# Allegro board reComputer Industrial J201_V1.2.brd (continued)
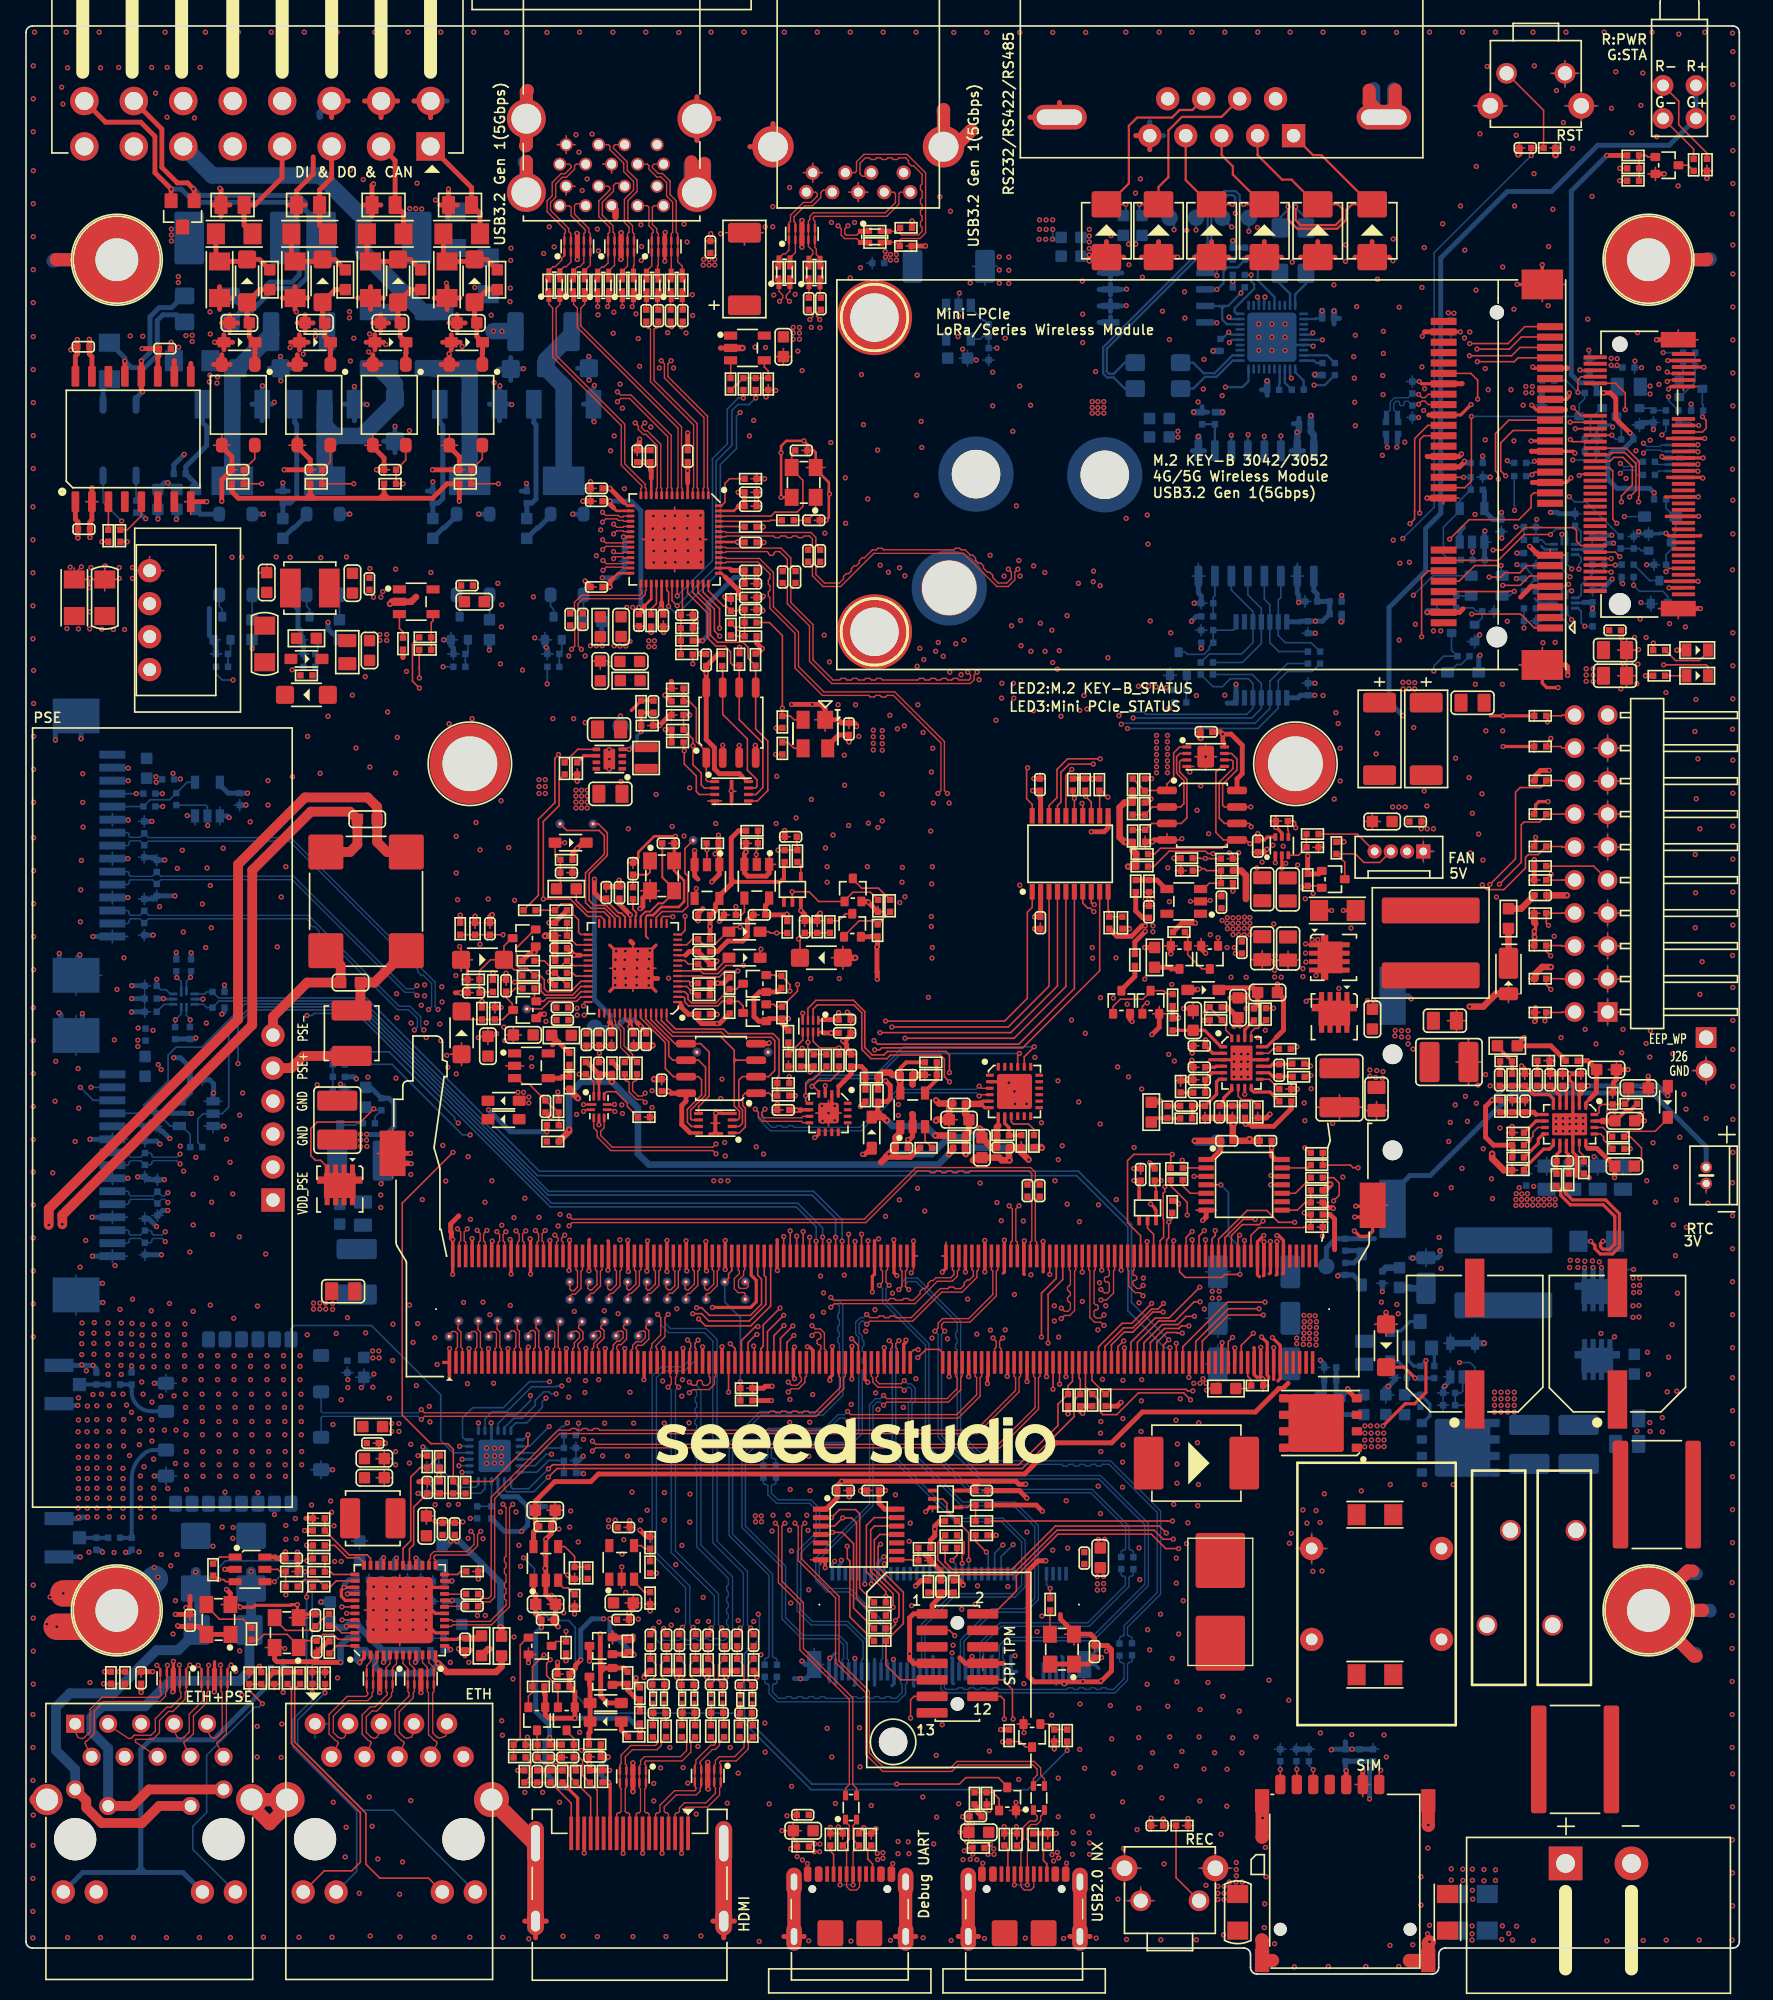
[diagram p0: board, top side]
## Routing (per net, layer and track width the routed paths; a pad name or vN(x,y) marks a point on that pad's centre or on a via; arc(x,y) is an arc through that point) (continued)
RS232_CTSN: length 19.4
  LAY4 w0.178: v1(84.94,133.19) 84.94,133.16 87.27,130.83 89.97,130.83 92.21,128.6 92.21,122.4 v1(92.41,122.19)
  BOTTOM w0.178: v1(84.94,133.19) 84.96,133.21 84.96,133.46 84.54,133.87 R279.1 ; v1(92.41,122.19) 93.73,122.19 94.19,122.65 U42.20
RS232_RTS: length 14.9
  TOP w0.178: J1.7 92.11,143 89.06,143 88.01,141.96 88.01,138.36 87.25,137.6 D5.2 v1(85.78,136.27)
  BOTTOM w0.178: v1(85.78,136.27) 85.78,135.6 R278.2
RS232_RTSN: length 19.4
  LAY4 w0.178: v1(85.5,133.19) 87.38,131.31 96.35,131.31 99.14,128.52 v1(99.14,126.37)
  BOTTOM w0.178: v1(85.5,133.19) 85.5,133.38 R278.1 ; U42.5 99,126.23 v1(99.14,126.37)
RS232_RXD/422_TX(A): length 2.8
  BOTTOM w0.178: U42.40 97.79,129.33 98.61,130.15 L26.1
RS232_RXD/422_TX+: length 17.5
  TOP w0.178: J1.2 94.89,140.05 96.77,138.17 97.49,138.17 99.39,136.27 D8.2 101.07,136.27 101.45,135.88 101.45,135.22 100.89,134.67 98.2,134.67 97.82,135.05 v1(97.82,136.09)
  BOTTOM w0.178: v1(97.82,136.09) 97.82,135.99 98.61,135.2 L26.4
RS232_TXD/422_RX(A): length 5.5
  BOTTOM w0.178: U42.21 92.97,124.23 91.72,122.98 90.83,122.98 89.92,122.07 L28.2
RS232_TXD/422_RX+: length 31.2
  TOP w0.178: v1(93.81,136.27) 95.28,136.27 92.98,138.57 92.98,139.19 92.12,140.05 J1.3
  TOP w0.381: 95.28,136.27 D7.2
  BOTTOM w0.178: v1(93.81,136.27) 93.5,136.57 93.5,136.98 93.2,137.28 92.31,137.28 91.04,136.01 91.04,133.31 82.99,125.26 82.99,123.24 83.29,122.93 83.8,122.93 84.66,122.07 L28.3
RUN: length 4.5
  TOP w0.127: FB3.2 42.39,82.65 43.26,81.78 44.53,81.78 44.96,81.36 U23.26
SDIO_D1: length 27.6
  TOP w0.127: R214.2 87.94,34.88 87.94,34.88 v1(88.33,34.88) ; v1(89.59,45.94) 89.63,45.98 J9.221
  LAY3 w0.127: v1(89.59,45.94) 87.56,43.91 87.56,35.66 v1(88.33,34.88)
SENSE+_DC1: length 2.5
  TOP w0.254: R198.2 118.84,61.64 C141.1 118.84,63.09 118.68,63.26 U31.13
SENSE+_DC2: length 2.6
  TOP w0.254: R158.2 97.51,70.05 C118.1 96.05,70.05 95.89,69.9 U25.13
SENSE-_DC1: length 2.5
  TOP w0.254: U31.12 118.18,63.35 117.92,63.09 C141.2 117.92,61.63 R199.2
SENSE-_DC2: length 2.7
  TOP w0.254: U25.12 95.78,69.4 96.05,69.13 C118.2 97.54,69.13 R166.2
SHUTDOWN_REQ*: length 101.5
  TOP w0.127: J9.233 92.63,48.69 v1(92.96,49.02) ; R120.2 v1(57.84,80.16) 57.35,80.16 57.24,80.26 D29.2
  LAY3 w0.127: v1(96.13,80.86) 95.53,80.26 95.53,73.6 96.27,72.87 96.27,66.87 96.78,66.36 96.78,54.84 92.96,51.02 v1(92.96,49.02)
  LAY4 w0.127: v1(92.96,49.02) 92.66,48.72 92.66,47.92 93.32,47.26 99.11,47.26 100.47,48.62 108.88,48.62 110.42,47.09 v1(110.44,47.09) ; v1(57.84,80.16) 58,80.32 65.17,80.32 65.68,79.81 82.78,79.81 83.45,79.14 85.22,79.14 86.26,78.1 93.55,78.1 95.85,80.4 95.85,80.58 v1(96.13,80.86)
  BOTTOM w0.127: U49.1 111.64,46.7 111.26,47.09 v1(110.44,47.09)
SIM_CLK: length 102.1
  TOP w0.127: J15.C1 v1(96.64,15.75)
  LAY3 w0.127: v1(96.64,15.75) 96.64,18.93 93.65,21.92 93.65,39.57 102.59,48.51 102.59,54.35 107.47,59.23 107.47,66.87 115.01,74.41 115.01,80.84 115.8,81.63 115.8,86.08 115.01,86.86 115.01,101.31 115.41,101.71 v1(115.41,103.64)
  BOTTOM w0.127: v1(96.64,15.75) 96.63,15.76 D93.2 ; v1(115.41,103.64) C227.1 R336.2
SIM_DETECT: length 118.8
  TOP w0.127: v1(104.37,15.69) 104.26,15.58 J15.C7
  LAY3 w0.127: v1(123.85,106.93) 123.85,106.96 123.37,107.44 122.86,107.44 122.43,107.01 121.82,107.01 121.14,106.32 121.14,104.03 116.69,99.59 116.69,88.62 118.27,87.04 118.27,81.08 117.02,79.84 117.02,75.08 117.56,74.54 117.56,73.1 117.02,72.56 115.09,72.56 109.07,66.54 109.07,57.93 103.76,52.62 103.76,48.02 94.82,39.08 94.82,22.4 101.02,16.2 103.86,16.2 v1(104.37,15.69)
  BOTTOM w0.127: R331.2 v1(123.85,106.93) 124.31,106.47 126.11,106.47 126.48,106.11 Q38.1
SIM_DETECT_1V8: length 2.1
  TOP w0.127: J6.66 v1(122.45,108.49)
  BOTTOM w0.127: v1(122.45,108.49) 122.49,108.53 R329.2
SIM_DIO: length 110
  TOP w0.127: J15.C2 v1(97.91,15.76)
  LAY3 w0.127: v1(97.91,15.76) 97.91,18.27 94.08,22.1 94.08,39.39 103.02,48.33 103.02,54.17 107.9,59.05 107.9,66.69 115.44,74.24 115.44,80.66 116.69,81.91 116.69,86.05 115.44,87.3 115.44,101.13 115.93,101.62 115.93,107.46 115.14,108.25 115.14,108.25 v1(114.86,108.53)
  BOTTOM w0.127: D92.2 97.87,15.79 v1(97.91,15.76) ; R333.2 115.71,106.77 115.71,106.83 R332.2 115.71,108.08 115.71,108.13 C223.1 114.97,108.43 v1(114.86,108.53)
SIM_MUX_SEL: length 136.7
  TOP w0.127: v1(117.02,73.4) 117.12,73.5 D37.2 118.32,74.04 118.36,74.08 J8.2
  LAY3 w0.127: v1(119.64,108.17) 119.64,104.24 v1(120.1,103.78) 116.29,99.97 116.29,88.34 117.89,86.74 117.89,81.99 116.74,80.84 116.74,73.68 v1(117.02,73.4) 116.53,72.91 115.05,72.91 108.64,66.49 v1(108.64,60.04)
  LAY4 w0.127: v1(42.57,42.41) 49.38,49.22 54.63,49.22 60.14,54.73 71.56,54.73 72.8,55.98 82.58,55.98 85.45,58.85 95.25,58.85 96.37,59.96 108.17,59.96 108.25,60.04 v1(108.64,60.04)
  BOTTOM w0.127: v1(42.57,42.41) 42.57,41.7 R389.2 ; R339.1 120.1,103.77 v1(120.1,103.78) 119.82,104.06 119.82,104.92 119.57,105.17 U46.10 ; U45.10 119.57,109.29 119.81,109.05 119.81,108.74 119.64,108.57 v1(119.64,108.17)
SIM_RST: length 112.4
  TOP w0.127: J15.C3 v1(99.18,15.73)
  LAY3 w0.127: v1(114.79,111.43) 115.5,111.43 116.31,110.61 116.31,101.46 115.79,100.94 115.79,87.47 117.12,86.14 117.12,81.76 115.79,80.42 115.79,74.09 108.25,66.55 108.25,58.9 103.37,54.03 103.37,48.19 94.43,39.24 94.43,22.24 99.18,17.49 v1(99.18,15.73)
  BOTTOM w0.127: v1(114.79,111.43) C219.1 R324.2 ; D91.2 98.84,16.07 v1(99.18,15.73)
SLEW: length 15.4
  LAY3 w0.178: v1(94.21,134.19) 94.09,134.07 94.09,131.13 v1(94.39,130.83) 94.39,129.36 93.53,128.49 92.54,128.49 91.75,127.7 v1(91.75,127.15)
  BOTTOM w0.178: SW3.4 91.72,127.17 v1(91.75,127.15) ; U42.30 93.29,127.84 93.12,128 93.12,128.26 94.62,129.76 94.62,130.12 94.39,130.35 v1(94.39,130.83) R394.2 ; TP53.1 v1(94.21,134.19)
SPI0_CS0: length 71.8
  TOP w0.127: v1(56.06,48.36) 56.13,48.29 J9.95 ; v1(63.28,32.94) 63.28,32 63.48,31.8 63.48,27.5 R403.1 ; v1(89.46,58.44) 89.46,59.42 88.19,60.7 R436.1
  LAY4 w0.127: v1(89.46,58.44) 85.58,58.44 82.88,55.75 72.95,55.75 71.71,54.5 60.28,54.5 55.5,49.73 55.5,48.92 v1(56.06,48.36) 56.34,48.08 56.34,48.05 56.47,47.92 56.47,42.64 58.04,41.07 60.28,41.07 61.6,39.75 61.6,34.84 61.88,34.56 62.39,34.56 63.28,33.68 v1(63.28,32.94)
SPI0_CS0_LS: length 72.2
  TOP w0.127: R439.2 100.76,61.32 101.17,60.9 101.17,59.96 v1(100.74,59.53) ; J11.9 67.39,22.65 66.25,23.79 R403.2 67.59,26.99 67.59,29.4 65.65,31.34 65.65,32.9 v1(65.84,33.09)
  LAY4 w0.127: v1(65.84,33.09) 66.15,32.79 71.56,32.79 74.27,35.5 74.27,43.23 76.05,45 76.05,51.61 79.89,55.44 83.09,55.44 85.14,57.5 89.31,57.5 90.35,58.54 95.43,58.54 96.14,59.25 100.46,59.25 v1(100.74,59.53)
SPI0_IRQ_GPIO07: length 23.5
  TOP w0.127: v1(98.53,63.62) 98.92,63.23 R200.1 ; R431.1 88.2,62.99 v1(88.32,63.11) 85.35,63.11 84.87,62.63 84.87,57.86 85.88,56.85 J9.206
  LAY4 w0.127: v1(88.32,63.11) 98.02,63.11 v1(98.53,63.62)
SPI0_IRQ_LS: length 61.2
  TOP w0.127: v1(102.63,62.09) 102.24,62.09 102.04,62.29 R202.2 R200.2 ; v1(88.8,32.76) 87.81,32.76 86.71,33.87 79.49,33.87 76.31,30.68 76.31,29.5 74.54,27.73 J11.2
  LAY3 w0.127: v1(102.63,62.09) 102.63,59.98 101.91,59.25 101.91,55.22 97.29,50.6 97.29,47.63 96.44,46.78 94.95,46.78 91.93,43.76 88.57,43.76 87.89,43.07 87.89,35.94 88.8,35.02 v1(88.8,32.76)
SPI0_MISO: length 31.4
  TOP w0.127: R401.1 63.99,28.94 63.99,34.74 63.61,35.12 v1(62.92,35.12) 62.29,34.49 U57.3 ; v1(56.32,49.25) 56.25,49.25 55.63,48.62 J9.93
  LAY4 w0.127: v1(62.92,35.12) 62.39,35.66 62.39,39.7 60.53,41.55 58.42,41.55 57,42.96 57,48.56 v1(56.32,49.25)
SPI0_MISO_LS: length 22.3
  TOP w0.127: v1(68.15,19.71) 68.15,21.12 68.42,21.38 J11.11 ; U57.12 65.36,34.49 65.08,34.21 65.08,31.01 66.81,29.28 v1(66.81,28.24) 66.25,27.69 R401.2
  LAY4 w0.127: v1(66.81,28.24) 66.4,27.83 66.4,25.52 68.15,23.77 v1(68.15,19.71)
SPI0_MOSI: length 31.1
  TOP w0.127: J9.89 54.63,48.17 v1(54.26,48.53) ; R402.1 63.76,28.18 63.76,33.14 62.89,34.01 v1(62.13,34.01) 61.97,33.84 U57.4
  LAY4 w0.127: v1(62.13,34.01) 61.93,34.01 61.27,34.67 61.27,39.76 60.19,40.84 57.76,40.84 56.24,42.36 56.24,46.55 v1(54.26,48.53)
SPI0_MOSI_LS: length 25
  TOP w0.127: v1(75.37,19.63) 75.37,21.12 75.1,21.38 J11.12 ; U57.11 65.78,33.84 65.36,33.42 65.36,31.16 67.26,29.26 67.26,27.5 v1(66.98,27.22) 66.98,26.9 66.69,26.61 R402.2
  LAY4 w0.127: v1(66.98,27.22) 67.26,26.95 67.66,26.95 74.97,19.63 v1(75.37,19.63)
SPI0_RST_3V3: length 71.6
  TOP w0.127: v1(80.22,17.22) 80.22,17.89 R434.1
  LAY4 w0.127: v1(38.33,32.05) 34.99,32.05 33.23,33.82 33.23,35.4 34.14,36.32 34.14,41.71 v1(34.86,42.43)
  BOTTOM w0.127: v1(38.33,32.05) 39.17,31.21 39.17,28.49 40.44,27.22 41.79,27.22 42.32,26.69 42.32,21.51 43.74,20.09 54.59,20.09 60.48,14.19 77.19,14.19 v1(80.22,17.22) ; U51.7 v1(34.86,42.43)
SPI0_RST_LS: length 16.3
  TOP w0.127: v1(71.56,26.06) 71.15,26.46 J11.3 ; v1(75.24,17.88) 75.72,17.88 R438.2 76.58,17.9 77.01,17.47 Q32.3
  LAY4 w0.127: v1(71.56,26.06) 70.82,25.32 70.82,24.68 74.86,20.65 75.77,20.65 76.48,19.93 76.48,19.12 v1(75.24,17.88)
SPI0_SCK: length 33.1
  TOP w0.127: J9.91 55.13,48.78 56.21,49.86 56.39,49.86 v1(56.39,49.86) ; U57.2 v1(62.06,35.14) 62.67,35.76 63.91,35.76 64.23,35.43 64.23,29.71 R400.1
  LAY4 w0.127: v1(62.06,35.14) 62.06,39.62 60.38,41.3 58.25,41.3 56.72,42.82 56.72,48.25 55.76,49.22 55.76,49.61 56,49.86 v1(56.39,49.86)
SPI0_SCK_LS: length 28.1
  TOP w0.127: J11.10 75.26,22.65 76,21.92 76,19.68 v1(76.05,19.63) ; R400.2 v1(66.25,29.08) 66.25,29.46 64.75,30.96 64.75,34.54 65.35,35.14 U57.13
  LAY4 w0.127: v1(76.05,19.63) 75.47,20.21 74.86,20.21 67.47,27.6 67.47,28.27 66.65,29.08 v1(66.25,29.08)
SPI1_CS0: length 41.4
  TOP w0.127: J9.110 v1(59.88,57.17) ; U18.5 80.12,76.05 76.13,72.05 v1(67.72,72.05)
  LAY3 w0.127: v1(67.72,72.05) 67.72,66.01 65.69,63.98 65.69,62.99 v1(59.88,57.17)
SPI1_CS0_3V3: length 67
  TOP w0.127: v1(111.23,125.55) 114.18,125.55 115.48,126.85 J5.51 ; U18.16 80.12,92.3 v1(80.57,92.76)
  LAY3 w0.127: v1(80.57,92.76) 80.57,93.15 80.47,93.25 80.47,98.78 81.79,100.1 81.79,107.56 v1(82.25,108.02)
  LAY4 w0.127: v1(111.23,125.55) 110.84,125.55 110.16,124.87 110.16,121.97 107.34,119.15 107.34,117.7 101.62,111.97 101.62,109.18 100.74,108.3 82.53,108.3 v1(82.25,108.02)
SPI1_MISO: length 41.3
  TOP w0.127: v1(66.7,72.92) 75.67,72.92 78.82,76.07 U18.3 ; J9.108 v1(59.38,56.81)
  LAY3 w0.127: v1(59.38,56.81) 59.38,57.23 65.13,62.99 65.13,63.85 66.7,65.43 v1(66.7,72.92)
SPI1_MISO_3V3: length 67
  TOP w0.127: U18.18 78.82,89.97 79.43,90.58 79.43,92.76 80.24,93.57 v1(82.76,93.57) ; v1(111.21,124.61) 114.46,124.61 115.1,125.25 J5.47
  LAY3 w0.127: v1(82.76,93.57) v1(82.76,106.9)
  LAY4 w0.127: v1(111.21,124.61) 111.21,122.25 108.03,119.07 108.03,117.32 102.33,111.62 102.33,109.08 100.92,107.67 83.52,107.67 v1(82.76,106.9)
SPI1_MOSI: length 42.7
  TOP w0.127: J9.104 v1(58.38,56.79) ; v1(65.79,72.49) 75.87,72.49 79.47,76.08 U18.4
  LAY3 w0.127: v1(58.38,56.79) 58.38,57.96 65.56,65.15 65.56,69.18 65.79,69.41 v1(65.79,72.49)
SPI1_MOSI_3V3: length 67.3
  TOP w0.127: v1(82.22,93.16) 80.37,93.16 79.73,92.53 79.73,90.24 79.47,89.97 U18.17 ; J5.49 115.21,126.05 114.28,125.12 v1(111.79,125.12)
  LAY3 w0.127: v1(82.22,93.16) v1(82.22,107.21)
  LAY4 w0.127: v1(82.22,107.21) 82.96,107.94 100.77,107.94 101.97,109.15 101.97,111.82 107.7,117.55 107.7,119.15 110.57,122.02 110.57,124.73 110.95,125.12 v1(111.79,125.12)
SPI1_SCK: length 41.1
  TOP w0.127: v1(58.88,57.22) J9.106 ; U18.1 77.52,82.13 77.14,81.76 77.14,75.13 75.39,73.38 v1(66.22,73.38)
  LAY3 w0.127: v1(58.88,57.22) 58.88,58.05 65.84,65.02 65.84,69.01 66.22,69.39 v1(66.22,73.38)
SPI1_SCK_3V3: length 67.2
  TOP w0.127: U18.20 77.52,90.07 77.09,90.5 77.09,92.81 v1(77.17,92.88) ; v1(111.81,124.15) 114.66,124.15 114.96,124.45 J5.45
  LAY3 w0.127: v1(77.17,92.88) 77.17,93.28 77.04,93.4 77.04,97.3 77.32,97.58 77.32,100.6 76.66,101.26 v1(76.66,102.28)
  LAY4 w0.127: v1(76.66,102.28) 77.09,102.71 79.28,102.71 83.98,107.41 101.12,107.41 102.65,108.94 102.65,111.42 108.41,117.19 108.41,119.07 111.81,122.47 v1(111.81,124.15)
SS_DC1: length 1.7
  TOP w0.254: C127.1 118.68,68.11 U31.4
SS_DC2: length 1.4
  TOP w0.254: C116.1 91.61,69.82 91.69,69.9 U25.4
SUSCLK_32KHZ: length 2.9
  TOP w0.127: J9.210 86.88,56.96 86.41,57.43 U33.2
SW_DC1: length 22.6
  TOP w0.254: U31.16 120.18,63.72 120.32,63.57
  TOP w0.381: 120.32,63.57 121.03,63.57 C142.2 v1(122.39,61.33)
  LAY3 w0.381: v1(122.39,61.33) 125.54,58.18 125.54,51.03 124.21,49.7 121.72,49.7 v1(121.34,49.32)
  BOTTOM w0.508: R368.1 106.64,52.86 106.7,52.8 D88.2
SW_DC2: length 13.6
  TOP w0.254: 96.33,72.13 95.6,71.4 U25.16
  TOP w0.381: v1(96.42,76.22) C95.2 96.88,75.11 96.88,72.68 96.33,72.13
  TOP w0.508: D34.2 114.21,79.68 114.21,79.68 R114.1
  LAY4 w0.381: v1(101.15,75.89) 97.27,75.89 96.94,76.22 v1(96.42,76.22)
SWCLK: length 10.5
  TOP w0.127: U23.24 45.76,81.32 45.62,81.45 45.52,81.45 44.68,82.29 43.77,82.29 43.39,82.67 43.39,84.73 44.78,86.13 44.78,87.88 44.1,88.56 TP2.1
SWDIO: length 12.7
  TOP w0.127: TP1.1 41.65,88.06 44.15,88.06 44.56,87.65 44.56,86.23 43.11,84.78 43.11,82.49 43.54,82.06 44.59,82.06 45.36,81.29 U23.25
SYNCO_DC1: length 3.3
  TOP w0.254: R197.1 115.42,62.02 116.92,63.52 117.38,63.52 117.68,63.82 U31.11
SYNCO_DC2: length 1.8
  TOP w0.127: U25.11 95.8,68.9 R171.1
SYS_RESET: length 3.2
  TOP w0.127: J9.239 94.13,46.03 94.4,45.75 D45.2 94.17,45.08 FB5.1
SYS_RST*: length 166
  TOP w0.127: R92.1 52.43,86.6 v1(52.45,86.57) 52.45,86.18 52.47,86.17 U20.2 ; v1(90.96,44.95) 91.09,45.08 FB5.2 ; SW1.1 116.92,143.51 D1.2 C1.1 v1(115.97,140.02)
  LAY3 w0.127: v1(106.07,110.54) 102.14,106.6 102.14,90.42 100.66,88.95 95.86,88.95 95.38,88.46 95.38,87.24 94.92,86.79 94.92,85.92 v1(95.23,85.62) 97.16,83.69 97.16,72.84 96.65,72.33 96.65,67.03 97.16,66.52 97.16,54.68 93.98,51.51 93.98,47.29 91.64,44.95 v1(90.96,44.95)
  LAY4 w0.127: v1(52.45,86.57) 52.82,86.94 58.22,86.94 58.93,86.23 86.24,86.23 87.76,84.7 93.58,84.7 94.49,85.62 v1(95.23,85.62)
  BOTTOM w0.127: v1(106.07,110.54) 108.49,112.95 108.49,132.54 v1(115.97,140.02)
TG1: length 2
  TOP w0.127: R193.1 121.54,64.23 121.54,64.46 121.32,64.68 U31.17
TG2: length 2
  TOP w0.127: U25.17 94.4,72.54 94.67,72.82 94.9,72.82 R146.1
TG_DC1: length 19.7
  TOP w0.127: R193.2 v1(123.6,63.54)
  LAY3 w0.127: v1(123.6,63.54) 126.3,60.84 126.3,50.95 124.41,49.07 v1(122.38,49.07)
  BOTTOM w0.127: Q45.4 122.03,48.72 v1(122.38,49.07)
TG_DC2: length 4.6
  TOP w0.127: v1(98.63,74.9) 98.8,75.07 Q16.4 ; v1(96.12,74.37) 95.99,74.37 95.98,74.37 R146.2
  LAY4 w0.127: v1(96.12,74.37) 96.65,74.9 v1(98.63,74.9)
TXRXA_N: length 10.4
  TOP w0.102: J14.3 24.91,18.99 24.51,18.21 24.28,18.13 24.03,18.26 23.68,18.61 23.68,19.85 24.87,21.05 26.33,21.05 26.66,21.39 26.66,21.66 26.75,21.75 U32.7 U32.4 26.75,23.73 27.05,24.03 U38.3
TXRXA_P: length 10.5
  TOP w0.102: U38.2 26.55,24.04 26.25,23.74 U32.5 U32.6 26.25,21.75 26.34,21.66 26.34,21.52 26.19,21.38 24.74,21.38 23.35,19.99 23.35,18.47 23.84,17.99 24.01,17.9 24.06,17.76 J14.2
TXRXB_N: length 9.3
  TOP w0.102: J14.5 27.44,19 27.05,18.22 26.8,18.14 26.57,18.26 26.22,18.61 26.22,19.81 26.66,20.25 27.02,20.25 28.16,21.39 28.16,21.66 28.25,21.75 U32.10 U32.1 28.25,23.59 28.55,23.89 U38.6
TXRXB_P: length 9.5
  TOP w0.102: U38.5 28.05,23.9 27.75,23.6 U32.2 U32.9 27.75,21.75 27.84,21.66 27.84,21.52 26.89,20.57 26.52,20.57 25.89,19.94 25.89,18.47 26.38,17.99 26.55,17.9 26.6,17.76 J14.4
TXRXC_N: length 8.9
  TOP w0.102: J14.7 30.02,18.88 29.71,18.26 29.34,18.14 29.11,18.26 28.76,18.61 28.76,20.19 29.84,21.27 29.84,21.66 29.92,21.75 U59.7 U59.4 29.92,23.52 29.55,23.89 U38.8
TXRXC_P: length 8.9
  TOP w0.102: J14.6 29.14,17.76 29.09,17.9 28.92,17.99 28.43,18.47 28.43,20.32 29.51,21.4 29.51,21.66 29.42,21.75 U59.6 U59.5 29.42,23.53 29.05,23.91 U38.7
TXRXD_N: length 8.4
  TOP w0.102: U38.11 31.05,23.97 31.42,23.59 U59.1 U59.10 31.42,21.75 31.34,21.66 31.34,18.57 31.65,18.26 31.85,18.15 32.31,18.31 32.58,18.84 J14.9
TXRXD_P: length 8.5
  TOP w0.102: U38.10 30.55,23.99 30.92,23.61 U59.2 U59.9 30.92,21.75 31.01,21.66 31.01,18.43 31.46,17.99 31.63,17.9 31.68,17.76 J14.8
TYPE C_UART_5V: length 25.2
  TOP w0.254: U30.9 61.08,64.66 60.83,64.41 v1(60.76,64.41) ; U30.3 v1(61.58,68.4) ; 74.91,65.32 U54.7
  TOP w0.381: 67.19,62.89 68.15,62.89 R416.1 ; 67.19,62.89 66.96,63.12 66.96,63.62 ; 67.19,62.89 66.27,62.89
  TOP w0.508: 74.91,65.32 74.81,65.22 R423.1 74.81,64.58 C302.1 74.39,63.64 C137.1 73.65,64.93 v1(73.48,65.1) ; U52.1 67.36,64.79 67,64.42 C291.1 66.96,63.62 v1(66.47,63.14) 66.27,62.93 66.27,62.89 65.88,62.5
  LAY3 w0.508: v1(61.58,68.4) 60.71,67.53 60.71,65.04 60.76,64.99 v1(60.76,64.41)
  BOTTOM w0.508: v1(66.47,63.14) 69.8,63.14 71.1,64.43 72.82,64.43 v1(73.48,65.1)
  vias: v1(52.99,61.08) v1(53.52,61.08) v1(54.08,61.08) v1(56.19,35.28) v1(56.21,34.83) v1(56.65,35.28) v1(56.66,34.83) v1(60.76,10.03) v1(60.74,9.42) v1(61.17,10) v1(61.14,9.42) v1(65.59,9.29) v1(65.61,8.81) v1(66.02,9.34) v1(66.02,8.91)
TYPE C_USB_DN: length 66.8
  TOP w0.107: v1(58.47,34.72) 58.24,34.48 58.24,30.26 59.89,28.6 59.89,25.07 63.7,21.26 63.7,14.59 63.99,14.3 L25.3 ; v1(53.17,63.92) 52.92,63.67 45.17,63.67 44.28,64.56 44.28,64.89 44.54,65.16 U29.5
  LAY3 w0.084: v1(53.17,63.92) 53.43,63.66 55.34,63.66 56.11,62.89 56.11,55.85 57.51,54.45 57.51,49.78 58.22,49.07 58.22,34.96 v1(58.47,34.72)
TYPE C_USB_DP: length 66.9
  TOP w0.107: v1(57.74,34.72) 57.97,34.49 57.97,30.14 59.62,28.49 59.62,24.96 63.43,21.15 63.43,14.59 63.14,14.3 L25.2 ; U29.3 43.74,65.16 44.01,64.89 44.01,64.45 45.05,63.4 52.92,63.4 v1(53.17,63.16)
  LAY3 w0.084: v1(53.17,63.16) 53.43,63.42 55.24,63.42 55.88,62.79 55.88,55.75 57.27,54.35 57.27,49.68 57.98,48.97 57.98,34.96 v1(57.74,34.72)
UART0_CTS: length 54.4
  TOP w0.127: J9.105 58.63,48.63 v1(59.16,49.17) ; v1(65.38,71.17) 65.78,71.17 65.93,71.32 76.79,71.32 82.72,77.25 U18.9
  LAY3 w0.127: v1(65.38,71.17) 65.38,69.54 65.26,69.41 65.26,65.22 57.79,57.75 57.79,56.69 59.67,54.81 59.67,49.68 v1(59.16,49.17)
UART0_CTS_3V3: length 52.7
  TOP w0.127: v1(83.35,90.62) 82.85,91.12 R81.2 82.69,90.68 82.72,90.65 U18.12
  LAY3 w0.127: v1(83.35,101.36) v1(83.35,90.62)
  LAY4 w0.127: v1(114.13,116.53) 114.39,116.26 114.39,114.59 113.92,114.12 112.73,114.12 102.29,103.68 85.67,103.68 v1(83.35,101.36)
  BOTTOM w0.127: v1(114.13,116.53) 114.15,116.53 114.33,116.35 R308.1
UART0_RTS: length 54.1
  TOP w0.127: v1(65.33,71.88) 65.61,71.6 76.48,71.6 80.77,75.88 U18.6 ; J9.103 58.13,48.95 v1(59.08,49.91)
  LAY3 w0.127: v1(59.08,49.91) 59.36,50.18 59.36,54.71 57.51,56.56 57.51,57.85 64.98,65.32 64.98,71.52 v1(65.33,71.88)
UART0_RTS_3V3: length 53.4
  TOP w0.127: U18.15 v1(80.77,90.53) 80.65,90.65 R79.2
  LAY3 w0.127: v1(81.51,98.45) 80.77,97.7 80.77,96.83 81,96.59 81,91.15 80.77,90.92 v1(80.77,90.53)
  LAY4 w0.127: v1(81.51,98.45) 82.06,98.45 85.23,101.62 101.27,101.62 107.42,107.77 111.92,107.77 114.33,110.18 114.33,111.5 114.68,111.86 v1(114.68,112.69)
  BOTTOM w0.127: R310.1 114.65,113.12 114.68,113.09 v1(114.68,112.69)
UART0_RXD: length 117.7
  TOP w0.127: v1(58.4,49.93) 57.63,49.16 J9.101 ; v1(82.3,82.34) 82.2,82.34 82.07,82.47 U18.8 ; J6.64 v1(122.13,108.99)
  LAY3 w0.127: v1(82.3,82.34) 82.3,85.47 86.19,89.35 86.19,97.23 86.49,97.53 v1(86.49,99.16) ; v1(67.72,82.95) 67.72,75.51 64.75,72.54 64.75,69.84 64.72,69.82 64.72,65.39 57.28,57.95 57.28,56.31 59.03,54.55 59.03,50.57 v1(58.4,49.93)
  LAY4 w0.127: v1(86.49,99.16) 87.18,99.84 102.34,99.84 108.46,105.96 111.69,105.96 112.17,105.48 119.13,105.48 121.09,107.44 121.09,107.95 v1(122.13,108.99) ; v1(67.72,82.95) 81.69,82.95 v1(82.3,82.34)
UART0_RXD_3V3: length 49.2
  TOP w0.127: J5.13 115.65,108.45 115.09,107.89 113.94,107.89 113.61,107.56 v1(112.73,107.56) ; R80.2 81.6,90.71 v1(81.63,90.68) 82.07,90.24 U18.13
  LAY3 w0.127: v1(81.74,97.4) 81.74,97.01 81.63,96.9 v1(81.63,90.68)
  LAY4 w0.127: v1(81.74,97.4) 82.13,97.4 85.44,100.71 102.06,100.71 108.17,106.81 111.98,106.81 v1(112.73,107.56)
UART0_TXD: length 121.9
  TOP w0.127: J9.99 57.13,49.47 v1(58.37,50.72) ; v1(82.27,81.81) 82,82.09 81.79,82.09 81.42,82.46 U18.7 ; J6.62 122.44,109.49 v1(122.79,109.14)
  LAY3 w0.127: v1(82.27,81.81) 81.87,82.21 81.87,85.43 85.7,89.27 v1(85.7,99.16) ; v1(58.37,50.72) 58.65,51 58.65,54.55 57,56.21 57,57.96 57.05,58.01 57.05,58.04 63.91,64.9 63.91,69.46 64.52,70.07 64.52,72.67 67.47,75.61 67.47,81.97 67.32,82.11 v1(67.32,82.5)
  LAY4 w0.127: v1(85.7,99.16) 86.69,100.15 102.29,100.15 108.36,106.22 111.89,106.22 112.37,105.74 119,105.74 120.83,107.56 120.83,108.35 121.97,109.49 122.43,109.49 v1(122.79,109.14) ; v1(67.32,82.5) 81.58,82.5 v1(82.27,81.81)
UART0_TXD_3V3: length 49
  TOP w0.127: J5.11 115.84,107.65 115.12,106.93 v1(113.77,106.93) ; v1(81.36,90.14) 81.42,90.08 U18.14
  LAY3 w0.127: v1(81.36,90.14) 81.23,90.27 81.23,96.86 81.18,96.91 v1(81.18,97.3)
  LAY4 w0.127: v1(113.77,106.93) 113.41,106.57 108.33,106.57 102.24,100.48 85.55,100.48 82.05,96.97 81.51,96.97 v1(81.18,97.3)
UART1_CTS: length 77.1
  TOP w0.127: v1(89.59,49.91) 89.02,49.91 88.81,49.7 87.71,49.7 86.63,48.62 J9.209
  LAY3 w0.127: v1(84.2,96.9) 83.93,96.62 83.93,89 80.93,86 80.93,74.79 92.82,62.9 92.82,59.58 92.21,58.97 92.21,57.22 89.59,54.6 v1(89.59,49.91)
  BOTTOM w0.127: R353.1 91.44,99.13 92.18,99.13 92.79,99.74 94.16,99.74 94.53,99.37 U47.5 94.53,97.47 94.05,97 86.29,97 86.11,97.17 84.48,97.17 v1(84.2,96.9)
UART1_CTS_5V_ISO: length 9.3
  LAY4 w0.178: v1(92.71,125.62) 92.87,125.47 v1(92.87,118.49)
  BOTTOM w0.178: U44.11 v1(92.87,118.49) ; U42.25 92.93,125.84 v1(92.71,125.62)
UART1_CTS_LS: length 10.5
  BOTTOM w0.127: U44.6 92.87,106.57 94.53,104.91 U47.10 94.53,102.52 93.65,101.65 91.16,101.65 R353.2
UART1_EN_3V3: length 2.1
  BOTTOM w0.127: R446.2 R445.2 89.39,99.31 89.44,99.36 Q52.1
UART1_RTS: length 76.9
  TOP w0.127: J9.207 86.13,48.6 87.53,50.01 88.75,50.01 89.39,50.64 v1(90.02,50.64)
  LAY3 w0.127: v1(84.38,96.24) 84.38,89.09 81.18,85.89 81.18,74.9 93.08,63 93.08,59.41 92.49,58.81 92.49,56.97 90.02,54.5 v1(90.02,50.64)
  BOTTOM w0.127: R351.1 97.18,100.9 95.83,99.55 U47.3 95.83,97.44 94.7,96.31 84.46,96.31 v1(84.38,96.24)
UART1_RTS_5V_ISO: length 15.3
  LAY4 w0.178: v1(95.41,118.41) 95.3,118.51 95.3,121.41 93.58,123.13 93.58,128.49 94.72,129.64 95.2,129.64 95.46,129.38 v1(95.46,129.13)
  BOTTOM w0.178: v1(95.46,129.13) 95.39,129.06 U42.34 ; U44.13 v1(95.41,118.41)
UART1_RTS_LS: length 8.5
  BOTTOM w0.127: R351.2 96.52,101.83 95.83,102.52 U47.12 95.83,105.44 95.41,105.86 U44.4
UART1_RXD: length 76.6
  TOP w0.127: J9.205 85.63,48.63 87.28,50.29 88.52,50.29 90,51.76 v1(90.45,51.76)
  LAY3 w0.127: v1(90.45,51.76) 90.86,52.17 90.86,54.43 93.08,56.65 93.08,58.63 93.68,59.23 93.68,63.24 81.64,75.28 81.64,85.54 85.3,89.2 v1(85.3,96.72)
  BOTTOM w0.127: R352.1 94.47,100.07 95.18,99.36 U47.4 95.18,97.45 94.44,96.72 v1(85.3,96.72)
UART1_RXD_5V_ISO: length 11.7
  LAY4 w0.178: v1(92.66,126.41) 92.87,126.41 93.3,125.98 93.3,122.73 94.16,121.86 v1(94.16,118.54)
  BOTTOM w0.178: v1(94.16,118.54) 94.14,118.51 U44.12 ; R390.2 92.16,125.91 v1(92.66,126.41) 92.84,126.23 U42.26
UART1_RXD_LS: length 10
  BOTTOM w0.127: R352.2 93.71,100.99 95.18,102.46 U47.11 95.18,105.15 94.14,106.19 U44.5
UART1_TXD: length 77.4
  TOP w0.127: v1(90.43,52.88) 88.07,50.52 87,50.52 85.13,48.64 J9.203
  LAY3 w0.127: v1(90.43,52.88) 90.43,54.5 92.79,56.87 92.79,58.72 93.37,59.3 93.37,63.12 81.41,75.08 81.41,85.71 84.87,89.16 v1(84.87,95.91)
  BOTTOM w0.127: v1(84.87,95.91) 94.91,95.91 96.48,97.47 U47.2 96.48,99.59 97.18,100.3 99.09,100.3 R350.1
UART1_TXD_5V_ISO: length 14
  LAY4 w0.178: v1(94.87,129.13) 94.01,128.26 94.01,123.41 96.68,120.75 v1(96.68,118.44)
  BOTTOM w0.178: v1(94.87,129.13) 94.87,129.08 94.99,128.96 U42.33 ; U44.14 v1(96.68,118.44)
UART1_TXD_LS: length 8.4
  BOTTOM w0.127: U44.3 96.68,105.99 96.48,105.79 U47.13 96.48,103.06 97.03,102.51 99.02,102.51 R350.2
UART2_RXD: length 52.3
  TOP w0.127: U24.2 60.64,74.3 60.96,74.62 63.78,74.62 64.39,74.01 64.39,71.19 65.1,70.48 66.32,70.48 66.6,70.76 70.44,70.76 70.76,70.44 70.76,69.1 v1(71.15,68.7) ; J9.238 v1(93.88,56.48)
  LAY3 w0.127: v1(88.47,70.3) 88.47,69.31 89.09,68.69 89.09,68.68 89.31,68.46 89.32,68.46 94.34,63.44 94.34,58.44 94.16,58.26 94.16,56.77 v1(93.88,56.48)
  LAY4 w0.127: v1(71.15,68.7) 71.5,69.06 78.34,69.06 79.58,70.3 v1(88.47,70.3)
UART2_RXD_3V3: length 84.5
  TOP w0.127: R156.2 59.71,71.19 v1(59.8,71.28) ; D20.2 117.23,96.88 ; 117.23,96.88 118.3,96.88 118.36,96.94 J8.20 ; 117.23,96.88 v1(117.23,96.41) ; R152.2 v1(62.63,71.31) 61.15,71.31 60.64,71.82 U24.7
  LAY3 w0.127: v1(65.97,88.79) 66.09,88.67 66.09,87.5 65.64,87.04 65.64,81.86 65.15,81.38 65.15,77.54 61.14,73.53 61.14,71.83 60.59,71.28 v1(59.8,71.28)
  LAY4 w0.127: v1(62.63,71.31) 60.22,71.31 60.19,71.28 v1(59.8,71.28) ; v1(65.97,88.79) 66.96,88.79 67.14,88.97 93.43,88.97 93.48,89.02 103.33,89.02 110.72,96.41 v1(117.23,96.41)
UART2_TXD: length 52.8
  TOP w0.127: U24.3 60.24,74.36 60.86,74.98 63.75,74.98 64.62,74.11 64.62,71.34 65.19,70.77 66.11,70.77 66.37,71.04 70.87,71.04 71.15,70.76 v1(71.15,69.41) ; J9.236 93.38,56.76 v1(93.5,56.89)
  LAY3 w0.127: v1(93.5,56.89) 93.5,58.47 94.03,59 94.03,63.32 88.04,69.31 v1(88.04,70.81)